# KiCad board rabbit_mask_capacitors.kicad_pcb (continued)
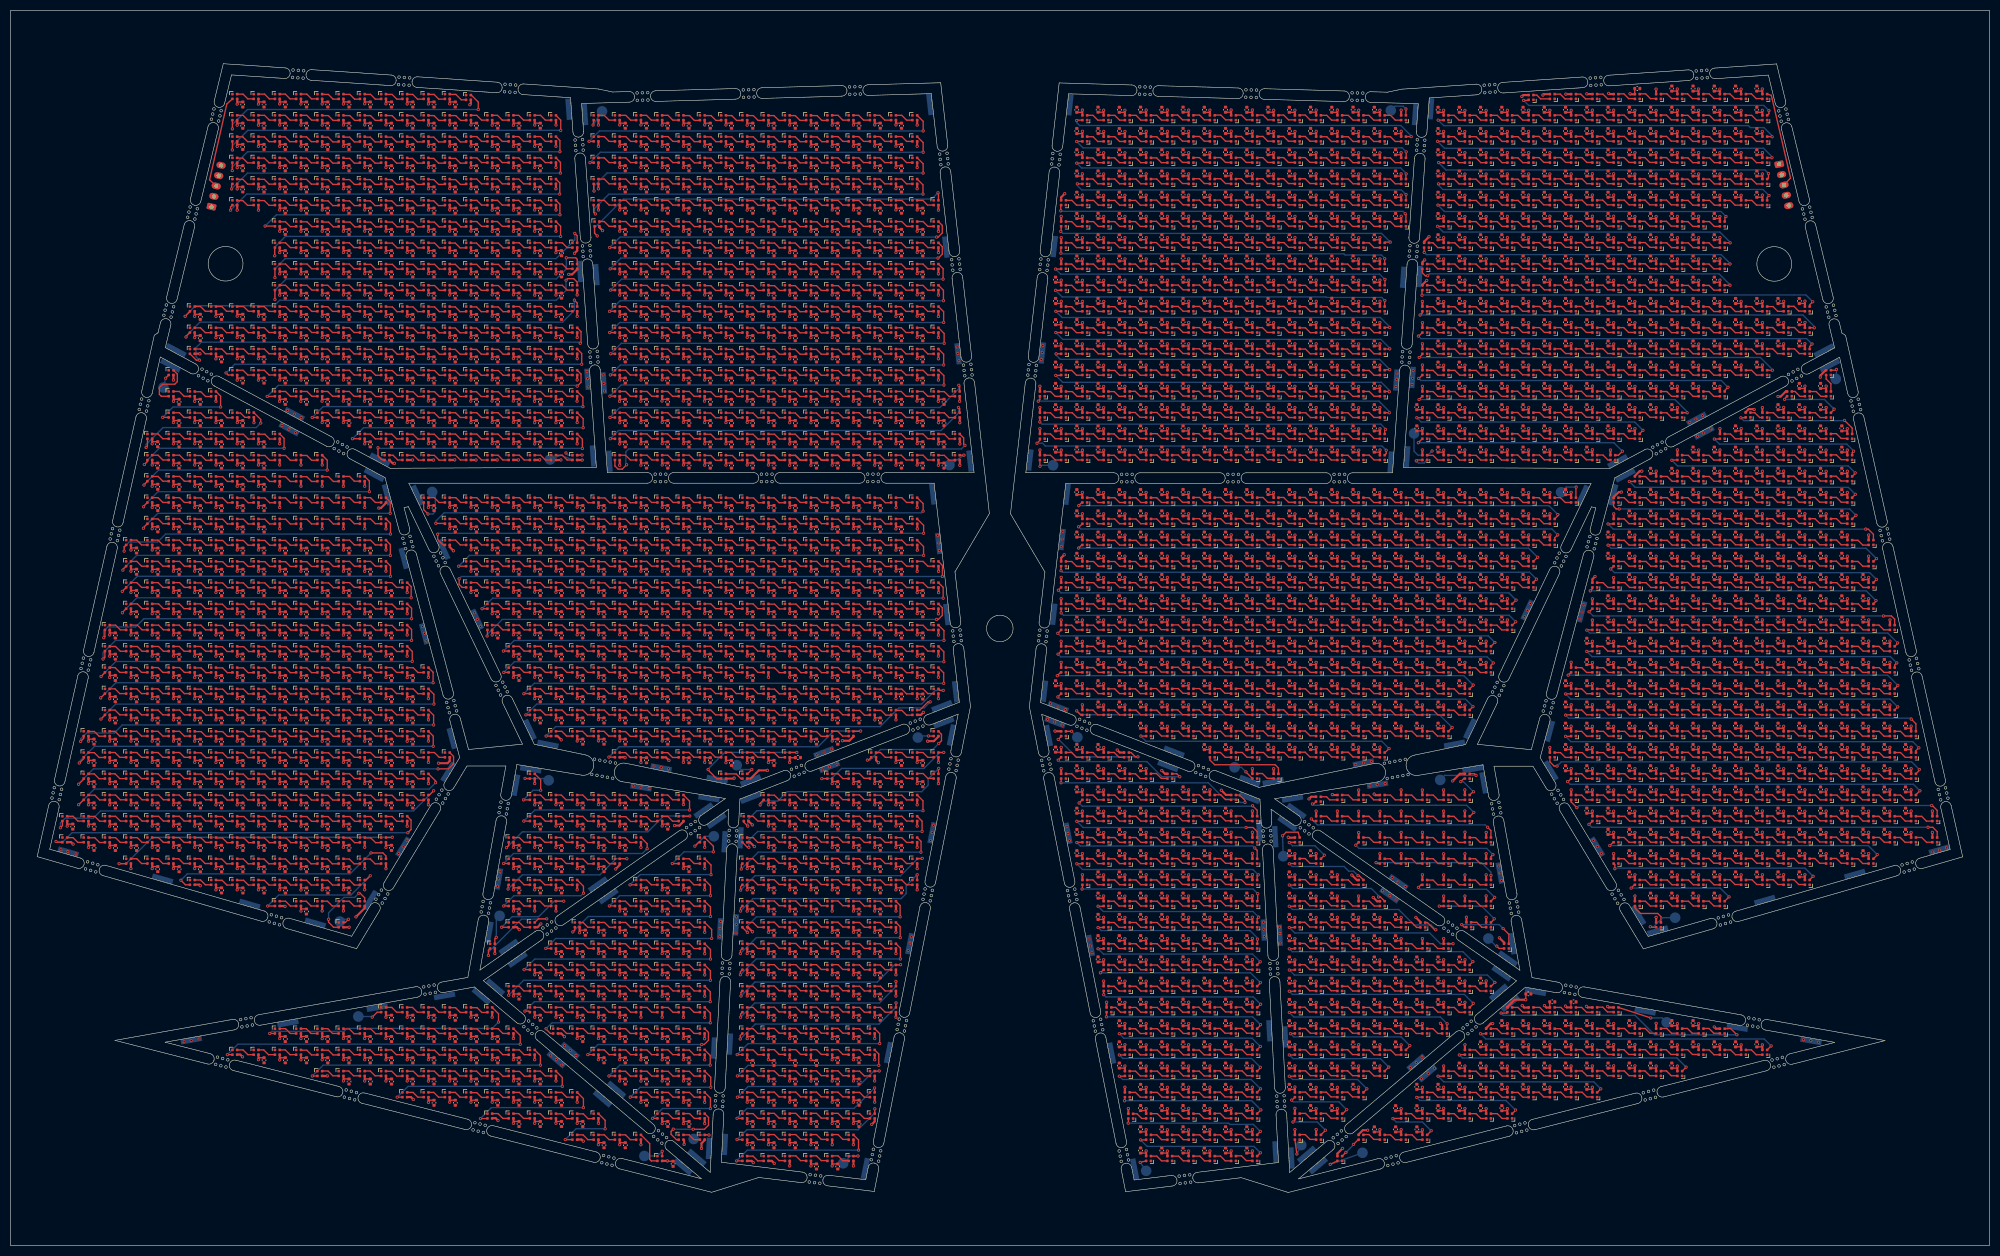
[diagram p0: board, top side]
## Placement (name value [footprint] x y rotation side) (continued)
C1485#2091  0.1uF  [C_0402_1005Metric]  216.7 117.86 90 top
C1485#2092  0.1uF  [C_0402_1005Metric]  228.7 21.86 90 top
C1485#2093  0.1uF  [C_0402_1005Metric]  268.7 141.86 90 top
C1485#2094  0.1uF  [C_0402_1005Metric]  119.7 102.86 270 top
C1485#2095  0.1uF  [C_0402_1005Metric]  39.7 94.86 270 top
C1485#2096  0.1uF  [C_0402_1005Metric]  163.7 190.86 270 top
C1485#2097  0.1uF  [C_0402_1005Metric]  216.7 173.88 90 top
C1485#2098  0.1uF  [C_0402_1005Metric]  111.7 38.86 270 top
C1485#2099  0.1uF  [C_0402_1005Metric]  248.7 53.84 90 top
C1485#2100  0.1uF  [C_0402_1005Metric]  155.7 74.86 270 top
C1485#2101  0.1uF  [C_0402_1005Metric]  304.7 209.86 90 top
C1485#2102  0.1uF  [C_0402_1005Metric]  67.72 130.84 270 top
C1485#2103  0.1uF  [C_0402_1005Metric]  95.7 162.86 270 top
C1485#2104  0.1uF  [C_0402_1005Metric]  220.71 73.86 90 top
C1485#2105  0.1uF  [C_0402_1005Metric]  304.7 121.86 90 top
C1485#2106  0.1uF  [C_0402_1005Metric]  31.72 130.84 270 top
C1485#2107  0.1uF  [C_0402_1005Metric]  115.7 154.86 270 top
C1485#2108  0.1uF  [C_0402_1005Metric]  280.7 149.86 90 top
C1485#2109  0.1uF  [C_0402_1005Metric]  123.7 26.86 270 top
C1485#2110  0.1uF  [C_0402_1005Metric]  208.7 149.88 90 top
C1485#2111  0.1uF  [C_0402_1005Metric]  127.7 26.86 270 top
C1485#2112  0.1uF  [C_0402_1005Metric]  224.7 129.86 90 top
C1485#2113  0.1uF  [C_0402_1005Metric]  147.7 158.86 270 top
C1485#2114  0.1uF  [C_0402_1005Metric]  220.7 113.86 90 top
C1485#2115  0.1uF  [C_0402_1005Metric]  139.7 30.86 270 top
C1485#2116  0.1uF  [C_0402_1005Metric]  252.7 137.86 90 top
C1485#2117  0.1uF  [C_0402_1005Metric]  308.7 181.86 90 top
C1485#2118  0.1uF  [C_0402_1005Metric]  232.7 121.86 90 top
C1485#2119  0.1uF  [C_0402_1005Metric]  340.7 93.86 90 top
C1485#2120  0.1uF  [C_0402_1005Metric]  103.7 98.86 270 top
C1485#2121  0.1uF  [C_0402_1005Metric]  292.7 37.86 90 top
C1485#2122  0.1uF  [C_0402_1005Metric]  59.72 110.86 270 top
C1485#2123  0.1uF  [C_0402_1005Metric]  167.7 82.86 270 top
C1485#2124  0.1uF  [C_0402_1005Metric]  276.7 37.86 90 top
C1485#2125  0.1uF  [C_0402_1005Metric]  127.7 206.86 270 top
C1485#2126  0.1uF  [C_0402_1005Metric]  83.7 206.86 270 top
C1485#2127  0.1uF  [C_0402_1005Metric]  143.7 166.86 270 top
C1485#2128  0.1uF  [C_0402_1005Metric]  264.7 29.86 90 top
C1485#2129  0.1uF  [C_0402_1005Metric]  59.7 186.86 270 top
C1485#2130  0.1uF  [C_0402_1005Metric]  216.7 45.86 90 top
C1485#2131  0.1uF  [C_0402_1005Metric]  296.7 101.86 90 top
C1485#2132  0.1uF  [C_0402_1005Metric]  268.7 173.86 90 top
C1485#2133  0.1uF  [C_0402_1005Metric]  143.7 190.86 270 top
C1485#2134  0.1uF  [C_0402_1005Metric]  131.7 162.86 270 top
C1485#2135  0.1uF  [C_0402_1005Metric]  248.7 185.86 90 top
C1485#2136  0.1uF  [C_0402_1005Metric]  316.7 73.86 90 top
C1485#2137  0.1uF  [C_0402_1005Metric]  51.7 174.84 270 top
C1485#2138  0.1uF  [C_0402_1005Metric]  232.7 201.86 90 top
C1485#2139  0.1uF  [C_0402_1005Metric]  19.72 74.84 270 top
C1485#2140  0.1uF  [C_0402_1005Metric]  39.72 114.84 270 top
C1485#2141  0.1uF  [C_0402_1005Metric]  324.7 149.86 90 top
C1485#2142  0.1uF  [C_0402_1005Metric]  123.7 194.86 270 top
C1485#2143  0.1uF  [C_0402_1005Metric]  344.7 133.86 90 top
C1485#2144  0.1uF  [C_0402_1005Metric]  151.7 126.86 270 top
C1485#2145  0.1uF  [C_0402_1005Metric]  111.7 134.86 270 top
C1485#2146  0.1uF  [C_0402_1005Metric]  220.7 65.86 90 top
C1485#2147  0.1uF  [C_0402_1005Metric]  148.2 91.86 0 top
C1485#2148  0.1uF  [C_0402_1005Metric]  67.7 98.86 270 top
C1485#2149  0.1uF  [C_0402_1005Metric]  147.7 62.86 270 top
C1485#2150  0.1uF  [C_0402_1005Metric]  91.7 206.86 270 top
C1485#2151  0.1uF  [C_0402_1005Metric]  139.7 158.86 270 top
C1485#2152  0.1uF  [C_0402_1005Metric]  324.7 37.86 90 top
C1485#2153  0.1uF  [C_0402_1005Metric]  127.7 54.88 270 top
C1485#2154  0.1uF  [C_0402_1005Metric]  23.7 122.86 270 top
C1485#2155  0.1uF  [C_0402_1005Metric]  308.7 133.86 90 top
C1485#2156  0.1uF  [C_0402_1005Metric]  320.7 165.86 90 top
C1485#2157  0.1uF  [C_0402_1005Metric]  27.68 146.86 270 top
C1485#2158  0.1uF  [C_0402_1005Metric]  99.7 138.86 270 top
C1485#2159  0.1uF  [C_0402_1005Metric]  139.7 98.86 270 top
C1485#2160  0.1uF  [C_0402_1005Metric]  272.7 45.84 90 top
C1485#2161  0.1uF  [C_0402_1005Metric]  240.7 65.86 90 top
C1485#2162  0.1uF  [C_0402_1005Metric]  51.72 110.86 270 top
C1485#2163  0.1uF  [C_0402_1005Metric]  300.7 41.86 90 top
C1485#2164  0.1uF  [C_0402_1005Metric]  115.7 114.86 270 top
C1485#2165  0.1uF  [C_0402_1005Metric]  131.7 182.86 270 top
C1485#2166  0.1uF  [C_0402_1005Metric]  39.72 142.84 270 top
C1485#2167  0.1uF  [C_0402_1005Metric]  35.72 118.84 270 top
C1485#2168  0.1uF  [C_0402_1005Metric]  264.7 97.86 90 top
C1485#2169  0.1uF  [C_0402_1005Metric]  220.7 45.86 90 top
C1485#2170  0.1uF  [C_0402_1005Metric]  87.7 122.86 270 top
C1485#2171  0.1uF  [C_0402_1005Metric]  300.7 153.86 90 top
C1485#2172  0.1uF  [C_0402_1005Metric]  340.7 133.86 90 top
C1485#2173  0.1uF  [C_0402_1005Metric]  39.7 174.86 270 top
C1485#2174  0.1uF  [C_0402_1005Metric]  147.7 114.86 270 top
C1485#2175  0.1uF  [C_0402_1005Metric]  71.7 106.86 270 top
C1485#2176  0.1uF  [C_0402_1005Metric]  336.7 85.86 90 top
C1485#2177  0.1uF  [C_0402_1005Metric]  23.72 106.84 270 top
C1485#2178  0.1uF  [C_0402_1005Metric]  27.72 74.84 270 top
C1485#2179  0.1uF  [C_0402_1005Metric]  320.7 217.86 90 top
C1485#2180  0.1uF  [C_0402_1005Metric]  39.7 66.86 270 top
C1485#2181  0.1uF  [C_0402_1005Metric]  244.7 41.84 90 top
C1485#2182  0.1uF  [C_0402_1005Metric]  224.7 157.88 90 top
C1485#2183  0.1uF  [C_0402_1005Metric]  147.7 70.86 270 top
C1485#2184  0.1uF  [C_0402_1005Metric]  336.7 149.86 90 top
C1485#2185  0.1uF  [C_0402_1005Metric]  127.7 66.86 270 top
C1485#2186  0.1uF  [C_0402_1005Metric]  151.7 202.86 270 top
C1485#2187  0.1uF  [C_0402_1005Metric]  155.7 194.86 270 top
C1485#2188  0.1uF  [C_0402_1005Metric]  248.7 25.86 90 top
C1485#2189  0.1uF  [C_0402_1005Metric]  119.7 174.86 270 top
C1485#2190  0.1uF  [C_0402_1005Metric]  228.7 201.88 90 top
C1485#2191  0.1uF  [C_0402_1005Metric]  252.7 177.86 90 top
C1485#2192  0.1uF  [C_0402_1005Metric]  75.7 34.86 270 top
C1485#2193  0.1uF  [C_0402_1005Metric]  63.72 110.86 270 top
C1485#2194  0.1uF  [C_0402_1005Metric]  352.7 81.86 90 top
C1485#2195  0.1uF  [C_0402_1005Metric]  340.7 149.86 90 top
C1485#2196  0.1uF  [C_0402_1005Metric]  296.7 169.86 90 top
C1485#2197  0.1uF  [C_0402_1005Metric]  123.7 106.86 270 top
C1485#2198  0.1uF  [C_0402_1005Metric]  208.7 213.86 90 top
C1485#2199  0.1uF  [C_0402_1005Metric]  324.7 153.86 90 top
C1485#2200  0.1uF  [C_0402_1005Metric]  63.7 94.86 270 top
C1485#2201  0.1uF  [C_0402_1005Metric]  292.7 201.86 90 top
C1485#2202  0.1uF  [C_0402_1005Metric]  47.7 202.86 270 top
C1485#2203  0.1uF  [C_0402_1005Metric]  55.7 178.84 270 top
C1485#2204  0.1uF  [C_0402_1005Metric]  228.7 37.86 90 top
C1485#2205  0.1uF  [C_0402_1005Metric]  155.7 78.86 270 top
C1485#2206  0.1uF  [C_0402_1005Metric]  248.7 41.84 90 top
C1485#2207  0.1uF  [C_0402_1005Metric]  244.7 189.88 90 top
C1485#2208  0.1uF  [C_0402_1005Metric]  304.7 73.86 90 top
C1485#2209  0.1uF  [C_0402_1005Metric]  228.7 129.86 90 top
C1485#2210  0.1uF  [C_0402_1005Metric]  167.7 126.86 270 top
C1485#2211  0.1uF  [C_0402_1005Metric]  35.72 94.84 270 top
C1485#2212  0.1uF  [C_0402_1005Metric]  308.7 117.86 90 top
C1485#2213  0.1uF  [C_0402_1005Metric]  252.7 209.88 90 top
C1485#2214  0.1uF  [C_0402_1005Metric]  248.7 49.84 90 top
C1485#2215  0.1uF  [C_0402_1005Metric]  248.7 141.86 90 top
C1485#2216  0.1uF  [C_0402_1005Metric]  115.7 38.86 270 top
C1485#2217  0.1uF  [C_0402_1005Metric]  31.7 154.86 270 top
C1485#2218  0.1uF  [C_0402_1005Metric]  143.7 118.86 270 top
C1485#2219  0.1uF  [C_0402_1005Metric]  272.7 205.86 90 top
C1485#2220  0.1uF  [C_0402_1005Metric]  316.7 85.86 90 top
C1485#2221  0.1uF  [C_0402_1005Metric]  147.7 186.86 270 top
C1485#2222  0.1uF  [C_0402_1005Metric]  95.7 138.86 270 top
C1485#2223  0.1uF  [C_0402_1005Metric]  107.7 134.86 270 top
C1485#2224  0.1uF  [C_0402_1005Metric]  63.7 70.86 270 top
C1485#2225  0.1uF  [C_0402_1005Metric]  332.7 133.86 90 top
C1485#2226  0.1uF  [C_0402_1005Metric]  155.7 146.86 270 top
C1485#2227  0.1uF  [C_0402_1005Metric]  296.7 157.86 90 top
C1485#2228  0.1uF  [C_0402_1005Metric]  256.7 137.86 90 top
C1485#2229  0.1uF  [C_0402_1005Metric]  244.7 141.88 90 top
C1485#2230  0.1uF  [C_0402_1005Metric]  159.7 190.86 270 top
C1485#2231  0.1uF  [C_0402_1005Metric]  91.7 38.86 270 top
C1485#2232  0.1uF  [C_0402_1005Metric]  99.7 130.86 270 top
C1485#2233  0.1uF  [C_0402_1005Metric]  151.7 150.84 270 top
C1485#2234  0.1uF  [C_0402_1005Metric]  316.7 161.86 90 top
C1485#2235  0.1uF  [C_0402_1005Metric]  264.7 129.86 90 top
C1485#2236  0.1uF  [C_0402_1005Metric]  216.7 85.86 90 top
C1485#2237  0.1uF  [C_0402_1005Metric]  95.7 194.86 270 top
C1485#2238  0.1uF  [C_0402_1005Metric]  220.7 21.86 90 top
C1485#2239  0.1uF  [C_0402_1005Metric]  115.7 138.86 270 top
C1485#2240  0.1uF  [C_0402_1005Metric]  272.7 213.86 90 top
C1485#2241  0.1uF  [C_0402_1005Metric]  228.7 153.86 90 top
C1485#2242  0.1uF  [C_0402_1005Metric]  119.7 194.86 270 top
C1485#2243  0.1uF  [C_0402_1005Metric]  236.7 121.86 90 top
C1485#2244  0.1uF  [C_0402_1005Metric]  55.7 206.86 270 top
C1485#2245  0.1uF  [C_0402_1005Metric]  47.7 126.88 270 top
C1485#2246  0.1uF  [C_0402_1005Metric]  232.7 33.86 90 top
C1485#2247  0.1uF  [C_0402_1005Metric]  163.7 134.86 270 top
C1485#2248  0.1uF  [C_0402_1005Metric]  224.7 141.86 90 top
C1485#2249  0.1uF  [C_0402_1005Metric]  95.7 170.86 270 top
C1485#2250  0.1uF  [C_0402_1005Metric]  147.7 178.86 270 top
C1485#2251  0.1uF  [C_0402_1005Metric]  264.71 101.86 90 top
C1485#2252  0.1uF  [C_0402_1005Metric]  147.7 78.86 270 top
C1485#2253  0.1uF  [C_0402_1005Metric]  312.7 193.86 90 top
C1485#2254  0.1uF  [C_0402_1005Metric]  71.7 198.86 270 top
C1485#2255  0.1uF  [C_0402_1005Metric]  143.7 154.86 270 top
C1485#2256  0.1uF  [C_0402_1005Metric]  220.7 41.84 90 top
C1485#2257  0.1uF  [C_0402_1005Metric]  79.7 166.86 270 top
C1485#2258  0.1uF  [C_0402_1005Metric]  224.7 153.88 90 top
C1485#2259  0.1uF  [C_0402_1005Metric]  99.7 50.86 270 top
C1485#2260  0.1uF  [C_0402_1005Metric]  59.72 102.84 270 top
C1485#2261  0.1uF  [C_0402_1005Metric]  308.7 33.86 90 top
C1485#2262  0.1uF  [C_0402_1005Metric]  288.7 189.86 90 top
C1485#2263  0.1uF  [C_0402_1005Metric]  95.7 186.86 270 top
C1485#2264  0.1uF  [C_0402_1005Metric]  336.7 117.86 90 top
C1485#2265  0.1uF  [C_0402_1005Metric]  39.72 110.84 270 top
C1485#2266  0.1uF  [C_0402_1005Metric]  236.7 169.86 90 top
C1485#2267  0.1uF  [C_0402_1005Metric]  75.7 90.86 270 top
C1485#2268  0.1uF  [C_0402_1005Metric]  151.7 170.86 270 top
C1485#2269  0.1uF  [C_0402_1005Metric]  224.7 57.86 90 top
C1485#2270  0.1uF  [C_0402_1005Metric]  71.7 114.86 270 top
C1485#2271  0.1uF  [C_0402_1005Metric]  204.7 109.86 90 top
C1485#2272  0.1uF  [C_0402_1005Metric]  151.7 206.86 270 top
C1485#2273  0.1uF  [C_0402_1005Metric]  340.7 157.86 90 top
C1485#2274  0.1uF  [C_0402_1005Metric]  135.7 202.86 270 top
C1485#2275  0.1uF  [C_0402_1005Metric]  131.7 158.86 270 top
C1485#2276  0.1uF  [C_0402_1005Metric]  240.7 121.86 90 top
C1485#2277  0.1uF  [C_0402_1005Metric]  228.7 61.86 90 top
C1485#2278  0.1uF  [C_0402_1005Metric]  155.7 126.86 270 top
C1485#2279  0.1uF  [C_0402_1005Metric]  284.7 29.86 90 top
C1485#2280  0.1uF  [C_0402_1005Metric]  268.7 129.86 90 top
C1485#2281  0.1uF  [C_0402_1005Metric]  252.7 129.86 90 top
C1485#2282  0.1uF  [C_0402_1005Metric]  268.7 133.86 90 top
C1485#2283  0.1uF  [C_0402_1005Metric]  59.7 210.86 270 top
C1485#2284  0.1uF  [C_0402_1005Metric]  155.7 162.86 270 top
C1485#2285  0.1uF  [C_0402_1005Metric]  87.7 202.86 270 top
C1485#2286  0.1uF  [C_0402_1005Metric]  103.7 166.86 270 top
C1485#2287  0.1uF  [C_0402_1005Metric]  143.7 202.86 270 top
C1485#2288  0.1uF  [C_0402_1005Metric]  272.7 157.86 90 top
C1485#2289  0.1uF  [C_0402_1005Metric]  119.7 50.86 270 top
C1485#2290  0.1uF  [C_0402_1005Metric]  220.7 105.86 90 top
C1485#2291  0.1uF  [C_0402_1005Metric]  119.7 26.86 270 top
C1485#2292  0.1uF  [C_0402_1005Metric]  155.7 26.86 270 top
C1485#2293  0.1uF  [C_0402_1005Metric]  95.7 22.86 270 top
C1485#2294  0.1uF  [C_0402_1005Metric]  123.7 182.86 270 top
C1485#2295  0.1uF  [C_0402_1005Metric]  224.7 149.88 90 top
C1485#2296  0.1uF  [C_0402_1005Metric]  344.7 89.86 90 top
C1485#2297  0.1uF  [C_0402_1005Metric]  204.71 73.86 90 top
C1485#2298  0.1uF  [C_0402_1005Metric]  340.7 73.86 90 top
C1485#2299  0.1uF  [C_0402_1005Metric]  248.7 57.84 90 top
C1485#2300  0.1uF  [C_0402_1005Metric]  212.7 97.86 90 top
C1485#2301  0.1uF  [C_0402_1005Metric]  328.7 197.86 90 top
C1485#2302  0.1uF  [C_0402_1005Metric]  344.7 93.86 90 top
C1485#2303  0.1uF  [C_0402_1005Metric]  248.7 37.84 90 top
C1485#2304  0.1uF  [C_0402_1005Metric]  55.7 210.86 270 top
C1485#2305  0.1uF  [C_0402_1005Metric]  296.7 113.86 90 top
C1485#2306  0.1uF  [C_0402_1005Metric]  260.7 125.86 90 top
C1485#2307  0.1uF  [C_0402_1005Metric]  248.7 197.86 90 top
C1485#2308  0.1uF  [C_0402_1005Metric]  123.7 126.86 270 top
C1485#2309  0.1uF  [C_0402_1005Metric]  232.7 189.86 90 top
C1485#2310  0.1uF  [C_0402_1005Metric]  87.7 38.86 270 top
C1485#2311  0.1uF  [C_0402_1005Metric]  208.7 33.86 90 top
C1485#2312  0.1uF  [C_0402_1005Metric]  103.7 130.86 270 top
C1485#2313  0.1uF  [C_0402_1005Metric]  220.7 189.88 90 top
C1485#2314  0.1uF  [C_0402_1005Metric]  71.7 170.86 270 top
C1485#2315  0.1uF  [C_0402_1005Metric]  236.7 125.86 90 top
C1485#2316  0.1uF  [C_0402_1005Metric]  276.7 185.86 90 top
C1485#2317  0.1uF  [C_0402_1005Metric]  27.72 110.84 270 top
C1485#2318  0.1uF  [C_0402_1005Metric]  240.7 49.84 90 top
C1485#2319  0.1uF  [C_0402_1005Metric]  288.7 37.86 90 top
C1485#2320  0.1uF  [C_0402_1005Metric]  196.7 153.86 90 top
C1485#2321  0.1uF  [C_0402_1005Metric]  147.7 166.86 270 top
C1485#2322  0.1uF  [C_0402_1005Metric]  236.7 201.88 90 top
C1485#2323  0.1uF  [C_0402_1005Metric]  147.7 162.86 270 top
C1485#2324  0.1uF  [C_0402_1005Metric]  163.7 198.86 270 top
C1485#2325  0.1uF  [C_0402_1005Metric]  63.72 118.84 270 top
C1485#2326  0.1uF  [C_0402_1005Metric]  59.72 82.84 270 top
C1485#2327  0.1uF  [C_0402_1005Metric]  127.7 190.86 270 top
C1485#2328  0.1uF  [C_0402_1005Metric]  204.7 177.86 90 top
C1485#2329  0.1uF  [C_0402_1005Metric]  244.7 165.86 90 top
C1485#2330  0.1uF  [C_0402_1005Metric]  244.71 101.86 90 top
C1485#2331  0.1uF  [C_0402_1005Metric]  143.7 138.86 270 top
C1485#2332  0.1uF  [C_0402_1005Metric]  324.7 173.86 90 top
C1485#2333  0.1uF  [C_0402_1005Metric]  200.7 149.88 90 top
C1485#2334  0.1uF  [C_0402_1005Metric]  143.7 22.86 270 top
C1485#2335  0.1uF  [C_0402_1005Metric]  139.7 122.86 270 top
C1485#2336  0.1uF  [C_0402_1005Metric]  27.72 90.84 270 top
C1485#2337  0.1uF  [C_0402_1005Metric]  328.7 209.86 90 top
C1485#2338  0.1uF  [C_0402_1005Metric]  103.7 158.86 270 top
C1485#2339  0.1uF  [C_0402_1005Metric]  107.72 78.84 270 top
C1485#2340  0.1uF  [C_0402_1005Metric]  292.7 185.86 90 top
C1485#2341  0.1uF  [C_0402_1005Metric]  200.7 193.86 90 top
C1485#2342  0.1uF  [C_0402_1005Metric]  196.7 177.86 90 top
C1485#2343  0.1uF  [C_0402_1005Metric]  115.7 118.86 270 top
C1485#2344  0.1uF  [C_0402_1005Metric]  212.7 137.86 90 top
C1485#2345  0.1uF  [C_0402_1005Metric]  63.7 210.86 270 top
C1485#2346  0.1uF  [C_0402_1005Metric]  324.7 81.86 90 top
C1485#2347  0.1uF  [C_0402_1005Metric]  63.7 194.86 270 top
C1485#2348  0.1uF  [C_0402_1005Metric]  236.7 157.86 90 top
C1485#2349  0.1uF  [C_0402_1005Metric]  224.7 209.86 90 top
C1485#2350  0.1uF  [C_0402_1005Metric]  308.7 65.86 90 top
C1485#2351  0.1uF  [C_0402_1005Metric]  55.7 214.86 270 top
C1485#2352  0.1uF  [C_0402_1005Metric]  244.7 113.86 90 top
C1485#2353  0.1uF  [C_0402_1005Metric]  59.7 182.86 270 top
C1485#2354  0.1uF  [C_0402_1005Metric]  312.7 33.86 90 top
C1485#2355  0.1uF  [C_0402_1005Metric]  147.7 122.86 270 top
C1485#2356  0.1uF  [C_0402_1005Metric]  240.7 33.84 90 top
C1485#2357  0.1uF  [C_0402_1005Metric]  143.7 94.86 270 top
C1485#2358  0.1uF  [C_0402_1005Metric]  232.7 113.86 90 top
C1485#2359  0.1uF  [C_0402_1005Metric]  208.7 41.84 90 top
C1485#2360  0.1uF  [C_0402_1005Metric]  47.7 122.86 270 top
C1485#2361  0.1uF  [C_0402_1005Metric]  308.7 197.86 90 top
C1485#2362  0.1uF  [C_0402_1005Metric]  127.7 202.86 270 top
C1485#2363  0.1uF  [C_0402_1005Metric]  63.7 158.86 270 top
C1485#2364  0.1uF  [C_0402_1005Metric]  300.7 93.86 90 top
C1485#2365  0.1uF  [C_0402_1005Metric]  107.7 98.86 270 top
C1485#2366  0.1uF  [C_0402_1005Metric]  79.7 30.86 270 top
C1485#2367  0.1uF  [C_0402_1005Metric]  332.7 69.86 90 top
C1485#2368  0.1uF  [C_0402_1005Metric]  280.7 213.86 90 top
C1485#2369  0.1uF  [C_0402_1005Metric]  284.7 165.86 90 top
C1485#2370  0.1uF  [C_0402_1005Metric]  115.7 74.86 270 top
C1485#2371  0.1uF  [C_0402_1005Metric]  312.7 173.86 90 top
C1485#2372  0.1uF  [C_0402_1005Metric]  99.7 98.86 270 top
C1485#2373  0.1uF  [C_0402_1005Metric]  75.7 206.86 270 top
C1485#2374  0.1uF  [C_0402_1005Metric]  248.7 65.86 90 top
C1485#2375  0.1uF  [C_0402_1005Metric]  139.7 50.86 270 top
C1485#2376  0.1uF  [C_0402_1005Metric]  344.7 137.86 90 top
C1485#2377  0.1uF  [C_0402_1005Metric]  212.7 89.86 90 top
C1485#2378  0.1uF  [C_0402_1005Metric]  352.7 89.86 90 top
C1485#2379  0.1uF  [C_0402_1005Metric]  200.7 169.88 90 top
C1485#2380  0.1uF  [C_0402_1005Metric]  212.7 185.88 90 top
C1485#2381  0.1uF  [C_0402_1005Metric]  115.7 30.86 270 top
C1485#2382  0.1uF  [C_0402_1005Metric]  284.7 185.86 90 top
C1485#2383  0.1uF  [C_0402_1005Metric]  159.7 78.86 270 top
C1485#2384  0.1uF  [C_0402_1005Metric]  196.7 157.86 90 top
C1485#2385  0.1uF  [C_0402_1005Metric]  204.7 65.86 90 top
C1485#2386  0.1uF  [C_0402_1005Metric]  127.7 122.86 270 top
C1485#2387  0.1uF  [C_0402_1005Metric]  352.7 93.86 90 top
C1485#2388  0.1uF  [C_0402_1005Metric]  47.7 214.86 270 top
C1485#2389  0.1uF  [C_0402_1005Metric]  340.7 161.86 90 top
C1485#2390  0.1uF  [C_0402_1005Metric]  51.72 126.86 270 top
C1485#2391  0.1uF  [C_0402_1005Metric]  123.7 166.86 270 top
C1485#2392  0.1uF  [C_0402_1005Metric]  312.7 109.86 90 top
C1485#2393  0.1uF  [C_0402_1005Metric]  51.72 118.84 270 top
C1485#2394  0.1uF  [C_0402_1005Metric]  224.7 61.86 90 top
C1485#2395  0.1uF  [C_0402_1005Metric]  216.7 41.84 90 top
C1485#2396  0.1uF  [C_0402_1005Metric]  83.7 214.86 270 top
C1485#2397  0.1uF  [C_0402_1005Metric]  216.7 197.86 90 top
C1485#2398  0.1uF  [C_0402_1005Metric]  119.7 106.86 270 top
C1485#2399  0.1uF  [C_0402_1005Metric]  63.7 214.86 270 top
C1485#2400  0.1uF  [C_0402_1005Metric]  244.7 197.88 90 top
C1485#2401  0.1uF  [C_0402_1005Metric]  256.7 209.86 90 top
C1485#2402  0.1uF  [C_0402_1005Metric]  300.7 201.86 90 top
C1485#2403  0.1uF  [C_0402_1005Metric]  139.7 134.86 270 top
C1485#2404  0.1uF  [C_0402_1005Metric]  79.7 170.86 270 top
C1485#2405  0.1uF  [C_0402_1005Metric]  147.7 26.86 270 top
C1485#2406  0.1uF  [C_0402_1005Metric]  212.7 41.84 90 top
C1485#2407  0.1uF  [C_0402_1005Metric]  220.7 109.86 90 top
C1485#2408  0.1uF  [C_0402_1005Metric]  224.7 93.84 90 top
C1485#2409  0.1uF  [C_0402_1005Metric]  200.7 137.86 90 top
C1485#2410  0.1uF  [C_0402_1005Metric]  272.7 133.86 90 top
C1485#2411  0.1uF  [C_0402_1005Metric]  163.7 182.86 270 top
C1485#2412  0.1uF  [C_0402_1005Metric]  220.7 69.86 90 top
C1485#2413  0.1uF  [C_0402_1005Metric]  324.7 197.86 90 top
C1485#2414  0.1uF  [C_0402_1005Metric]  312.7 129.86 90 top
C1485#2415  0.1uF  [C_0402_1005Metric]  71.7 30.86 270 top
C1485#2416  0.1uF  [C_0402_1005Metric]  336.7 101.86 90 top
C1485#2417  0.1uF  [C_0402_1005Metric]  99.7 206.86 270 top
C1485#2418  0.1uF  [C_0402_1005Metric]  264.7 137.86 90 top
C1485#2419  0.1uF  [C_0402_1005Metric]  264.7 105.86 90 top
C1485#2420  0.1uF  [C_0402_1005Metric]  220.7 165.86 90 top
C1485#2421  0.1uF  [C_0402_1005Metric]  103.7 46.86 270 top
C1485#2422  0.1uF  [C_0402_1005Metric]  216.7 141.86 90 top
C1485#2423  0.1uF  [C_0402_1005Metric]  139.7 46.86 270 top
C1485#2424  0.1uF  [C_0402_1005Metric]  312.7 117.86 90 top
C1485#2425  0.1uF  [C_0402_1005Metric]  272.7 185.86 90 top
C1485#2426  0.1uF  [C_0402_1005Metric]  107.7 22.86 270 top
C1485#2427  0.1uF  [C_0402_1005Metric]  284.7 173.86 90 top
C1485#2428  0.1uF  [C_0402_1005Metric]  91.7 118.86 270 top
C1485#2429  0.1uF  [C_0402_1005Metric]  107.72 82.84 270 top
C1485#2430  0.1uF  [C_0402_1005Metric]  63.7 170.86 270 top
C1485#2431  0.1uF  [C_0402_1005Metric]  39.7 146.84 270 top
C1485#2432  0.1uF  [C_0402_1005Metric]  248.7 121.86 90 top
C1485#2433  0.1uF  [C_0402_1005Metric]  260.7 117.86 90 top
C1485#2434  0.1uF  [C_0402_1005Metric]  208.71 77.84 90 top
C1485#2435  0.1uF  [C_0402_1005Metric]  304.7 89.86 90 top
C1485#2436  0.1uF  [C_0402_1005Metric]  151.7 34.36 270 top
C1485#2437  0.1uF  [C_0402_1005Metric]  51.72 82.84 270 top
C1485#2438  0.1uF  [C_0402_1005Metric]  240.7 113.86 90 top
C1485#2439  0.1uF  [C_0402_1005Metric]  308.7 93.86 90 top
C1485#2440  0.1uF  [C_0402_1005Metric]  200.7 113.86 90 top
C1485#2441  0.1uF  [C_0402_1005Metric]  99.7 134.86 270 top
C1485#2442  0.1uF  [C_0402_1005Metric]  55.72 110.86 270 top
C1485#2443  0.1uF  [C_0402_1005Metric]  75.7 94.86 270 top
C1485#2444  0.1uF  [C_0402_1005Metric]  228.7 213.88 90 top
C1485#2445  0.1uF  [C_0402_1005Metric]  288.7 213.86 90 top
C1485#2446  0.1uF  [C_0402_1005Metric]  244.7 69.86 90 top
C1485#2447  0.1uF  [C_0402_1005Metric]  244.7 109.86 90 top
C1485#2448  0.1uF  [C_0402_1005Metric]  23.72 102.84 270 top
C1485#2449  0.1uF  [C_0402_1005Metric]  91.7 170.86 270 top
C1485#2450  0.1uF  [C_0402_1005Metric]  212.7 121.86 90 top
C1485#2451  0.1uF  [C_0402_1005Metric]  252.7 125.86 90 top
C1485#2452  0.1uF  [C_0402_1005Metric]  264.7 53.84 90 top
C1485#2453  0.1uF  [C_0402_1005Metric]  43.7 174.86 270 top
C1485#2454  0.1uF  [C_0402_1005Metric]  284.7 181.86 90 top
C1485#2455  0.1uF  [C_0402_1005Metric]  312.7 165.86 90 top
C1485#2456  0.1uF  [C_0402_1005Metric]  119.7 202.86 270 top
C1485#2457  0.1uF  [C_0402_1005Metric]  224.7 49.86 90 top
C1485#2458  0.1uF  [C_0402_1005Metric]  115.7 58.86 270 top
C1485#2459  0.1uF  [C_0402_1005Metric]  232.7 105.86 90 top
C1485#2460  0.1uF  [C_0402_1005Metric]  204.7 137.86 90 top
C1485#2461  0.1uF  [C_0402_1005Metric]  340.7 141.86 90 top
C1485#2462  0.1uF  [C_0402_1005Metric]  151.7 146.86 270 top
C1485#2463  0.1uF  [C_0402_1005Metric]  356.7 97.86 90 top
C1485#2464  0.1uF  [C_0402_1005Metric]  208.7 137.86 90 top
C1485#2465  0.1uF  [C_0402_1005Metric]  220.7 185.88 90 top
C1485#2466  0.1uF  [C_0402_1005Metric]  83.7 174.84 270 top
C1485#2467  0.1uF  [C_0402_1005Metric]  87.7 194.86 270 top
C1485#2468  0.1uF  [C_0402_1005Metric]  264.7 45.84 90 top
C1485#2469  0.1uF  [C_0402_1005Metric]  284.7 37.86 90 top
C1485#2470  0.1uF  [C_0402_1005Metric]  312.7 201.86 90 top
C1485#2471  0.1uF  [C_0402_1005Metric]  272.7 29.86 90 top
C1485#2472  0.1uF  [C_0402_1005Metric]  248.7 209.86 90 top
C1485#2473  0.1uF  [C_0402_1005Metric]  308.7 141.86 90 top
C1485#2474  0.1uF  [C_0402_1005Metric]  332.7 85.86 90 top
C1485#2475  0.1uF  [C_0402_1005Metric]  252.7 201.88 90 top
C1485#2476  0.1uF  [C_0402_1005Metric]  268.7 181.86 90 top
C1485#2477  0.1uF  [C_0402_1005Metric]  212.7 169.86 90 top
C1485#2478  0.1uF  [C_0402_1005Metric]  200.7 165.88 90 top
C1485#2479  0.1uF  [C_0402_1005Metric]  308.7 185.86 90 top
C1485#2480  0.1uF  [C_0402_1005Metric]  55.7 162.86 270 top
C1485#2481  0.1uF  [C_0402_1005Metric]  200.7 177.88 90 top
C1485#2482  0.1uF  [C_0402_1005Metric]  216.7 125.86 90 top
C1485#2483  0.1uF  [C_0402_1005Metric]  151.7 78.86 270 top
C1485#2484  0.1uF  [C_0402_1005Metric]  123.7 174.86 270 top
C1485#2485  0.1uF  [C_0402_1005Metric]  43.7 102.86 270 top
C1485#2486  0.1uF  [C_0402_1005Metric]  332.7 169.86 90 top
C1485#2487  0.1uF  [C_0402_1005Metric]  344.7 97.86 90 top
C1485#2488  0.1uF  [C_0402_1005Metric]  59.7 78.86 270 top
C1485#2489  0.1uF  [C_0402_1005Metric]  284.7 213.86 90 top
C1485#2490  0.1uF  [C_0402_1005Metric]  103.7 122.86 270 top
C1485#2491  0.1uF  [C_0402_1005Metric]  135.7 138.86 270 top
C1485#2492  0.1uF  [C_0402_1005Metric]  328.7 133.86 90 top
C1485#2493  0.1uF  [C_0402_1005Metric]  167.7 190.86 270 top
C1485#2494  0.1uF  [C_0402_1005Metric]  123.7 130.86 270 top
C1485#2495  0.1uF  [C_0402_1005Metric]  127.7 210.86 270 top
C1485#2496  0.1uF  [C_0402_1005Metric]  240.7 165.88 90 top
C1485#2497  0.1uF  [C_0402_1005Metric]  236.7 197.88 90 top
C1485#2498  0.1uF  [C_0402_1005Metric]  236.7 161.86 90 top
C1485#2499  0.1uF  [C_0402_1005Metric]  264.7 41.86 90 top
C1485#2500  0.1uF  [C_0402_1005Metric]  143.7 122.86 270 top
C1485#2501  0.1uF  [C_0402_1005Metric]  220.7 85.86 90 top
C1485#2502  0.1uF  [C_0402_1005Metric]  200.7 129.86 90 top
C1485#2503  0.1uF  [C_0402_1005Metric]  99.7 126.86 270 top
C1485#2504  0.1uF  [C_0402_1005Metric]  139.7 162.86 270 top
C1485#2505  0.1uF  [C_0402_1005Metric]  308.7 101.86 90 top
C1485#2506  0.1uF  [C_0402_1005Metric]  316.7 109.86 90 top
